# Altium PCB eps-test.PcbDoc (part 1 of 2)
Units mm, origin at the board's own origin, x right, y up, seen from the top; angles counter-clockwise.
Board outline 95.76 x 90.17 mm, 2 copper layers (Top Layer, Bottom Layer); 211 components, 182 nets, 892 pads, 2 vias.
Unrouted connection lines stored in the file: 525.
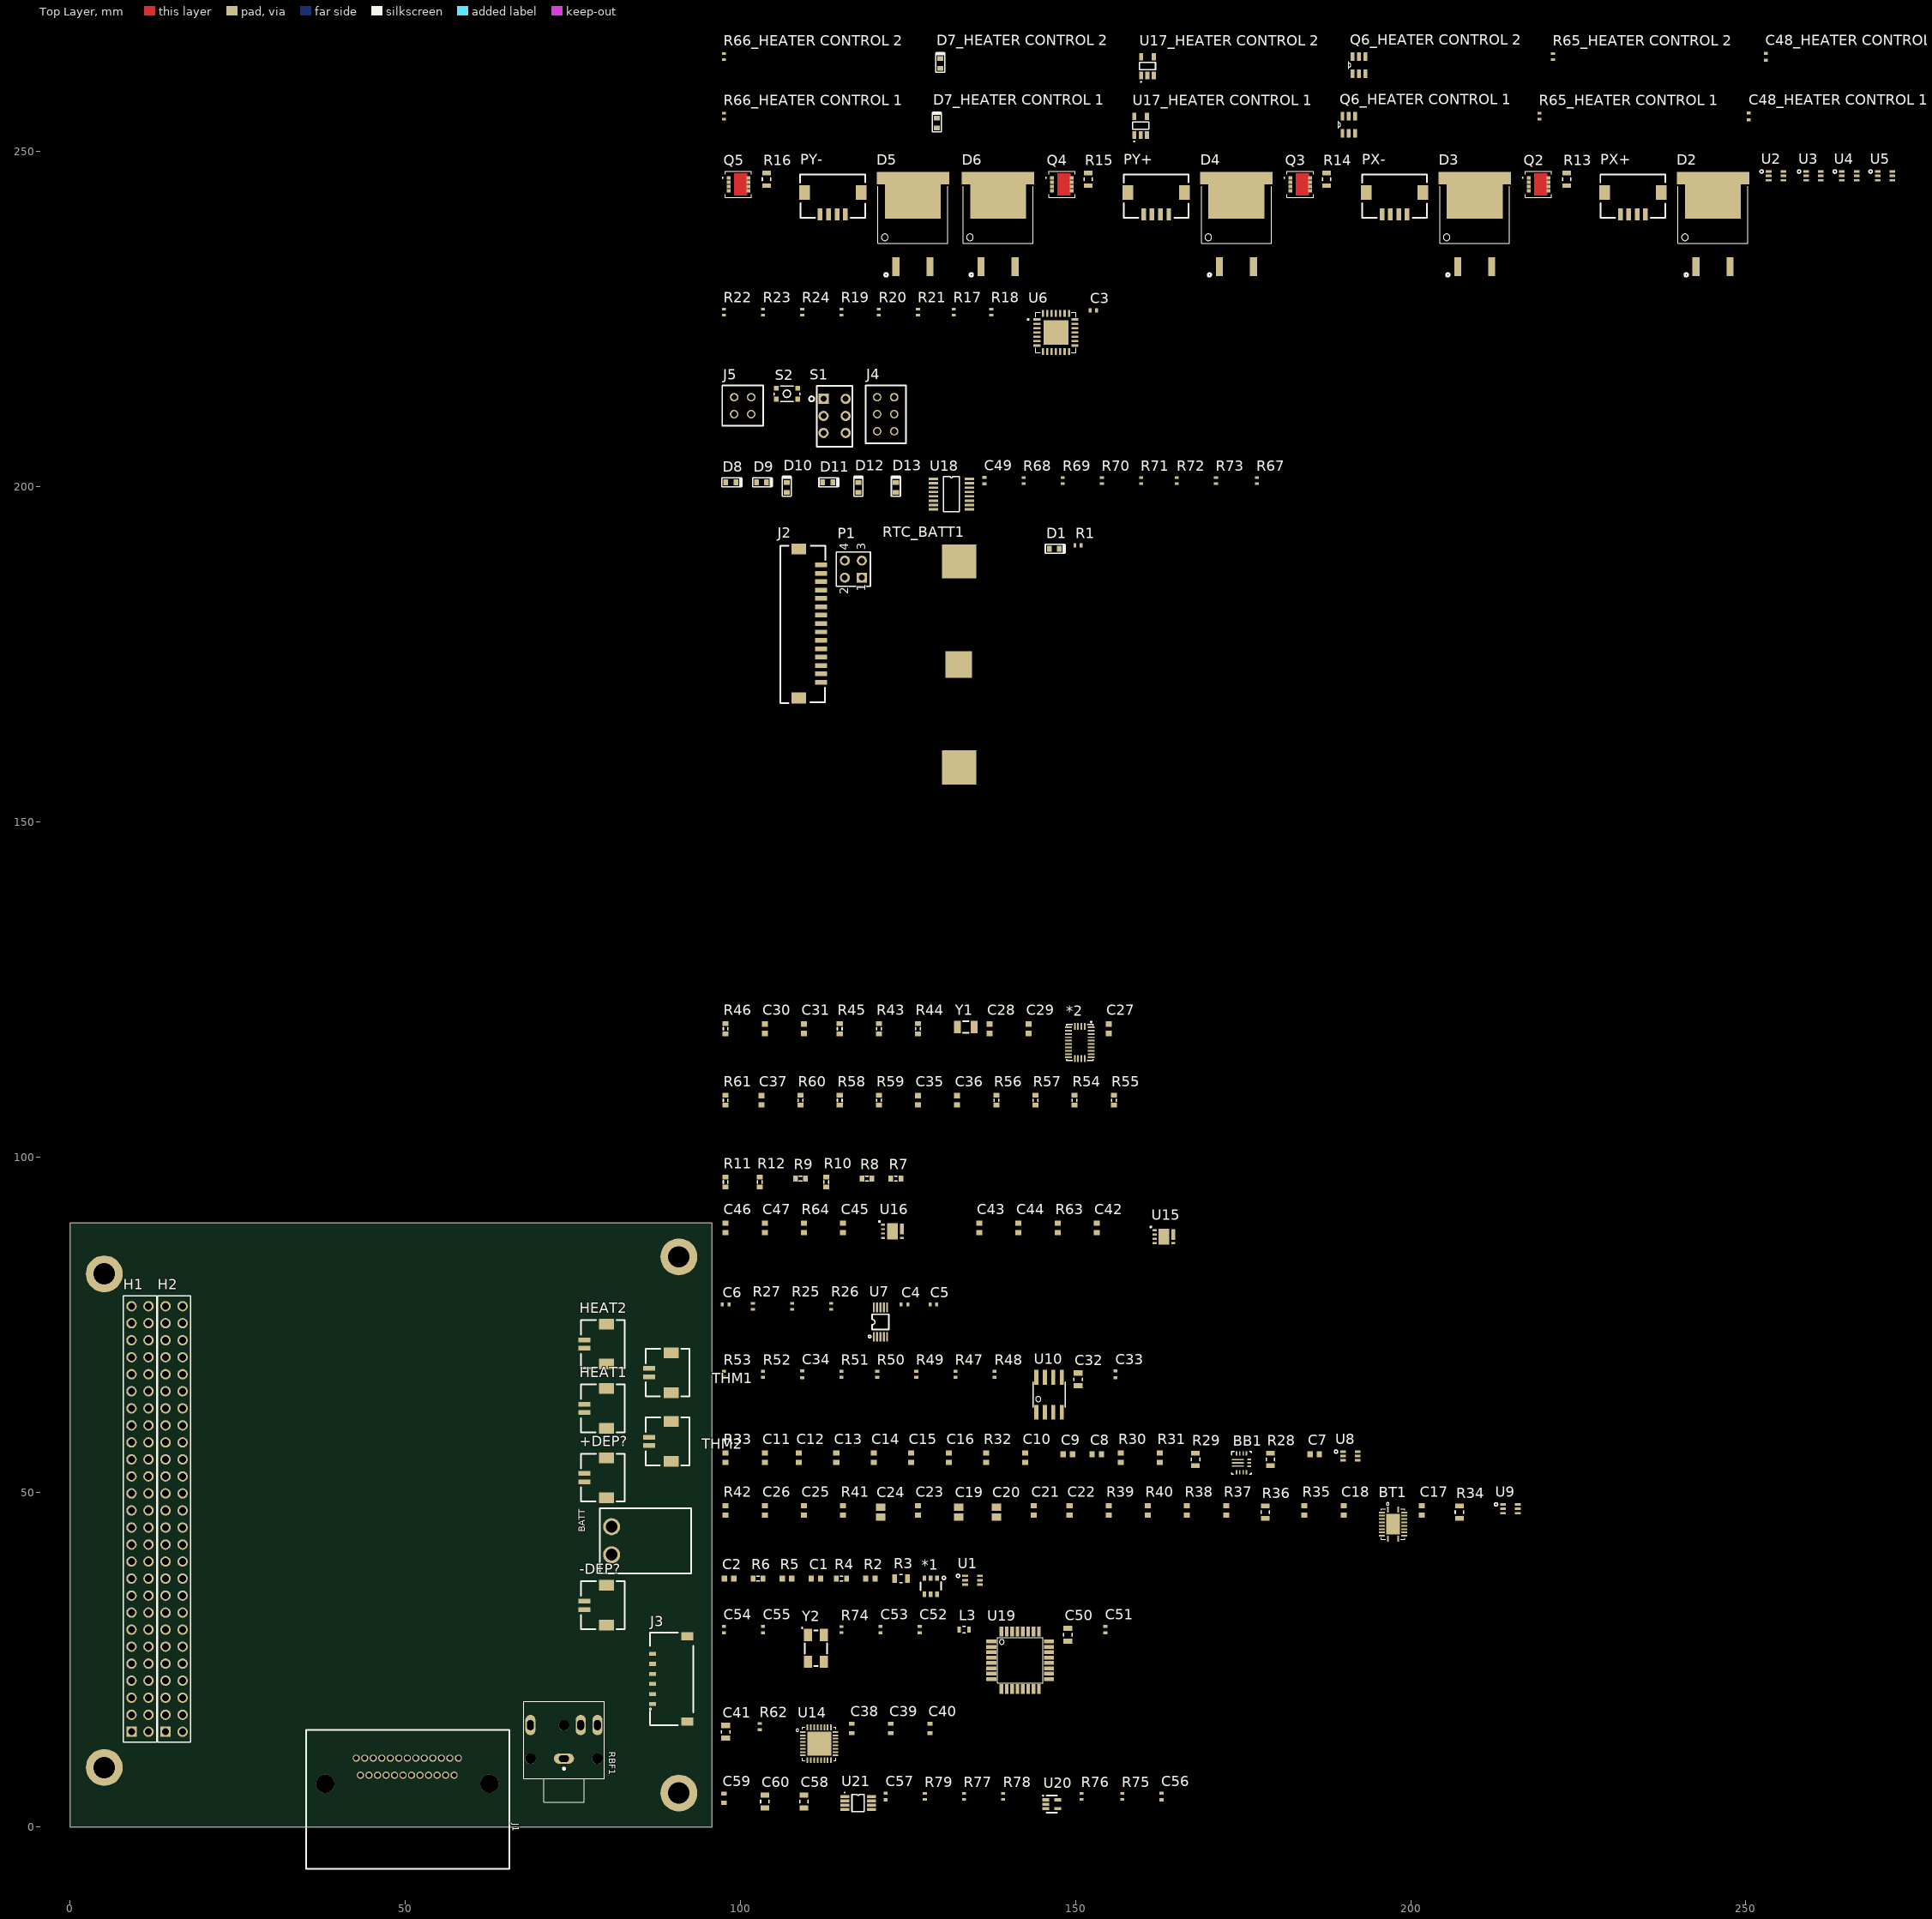
[diagram p0: Top Layer view]
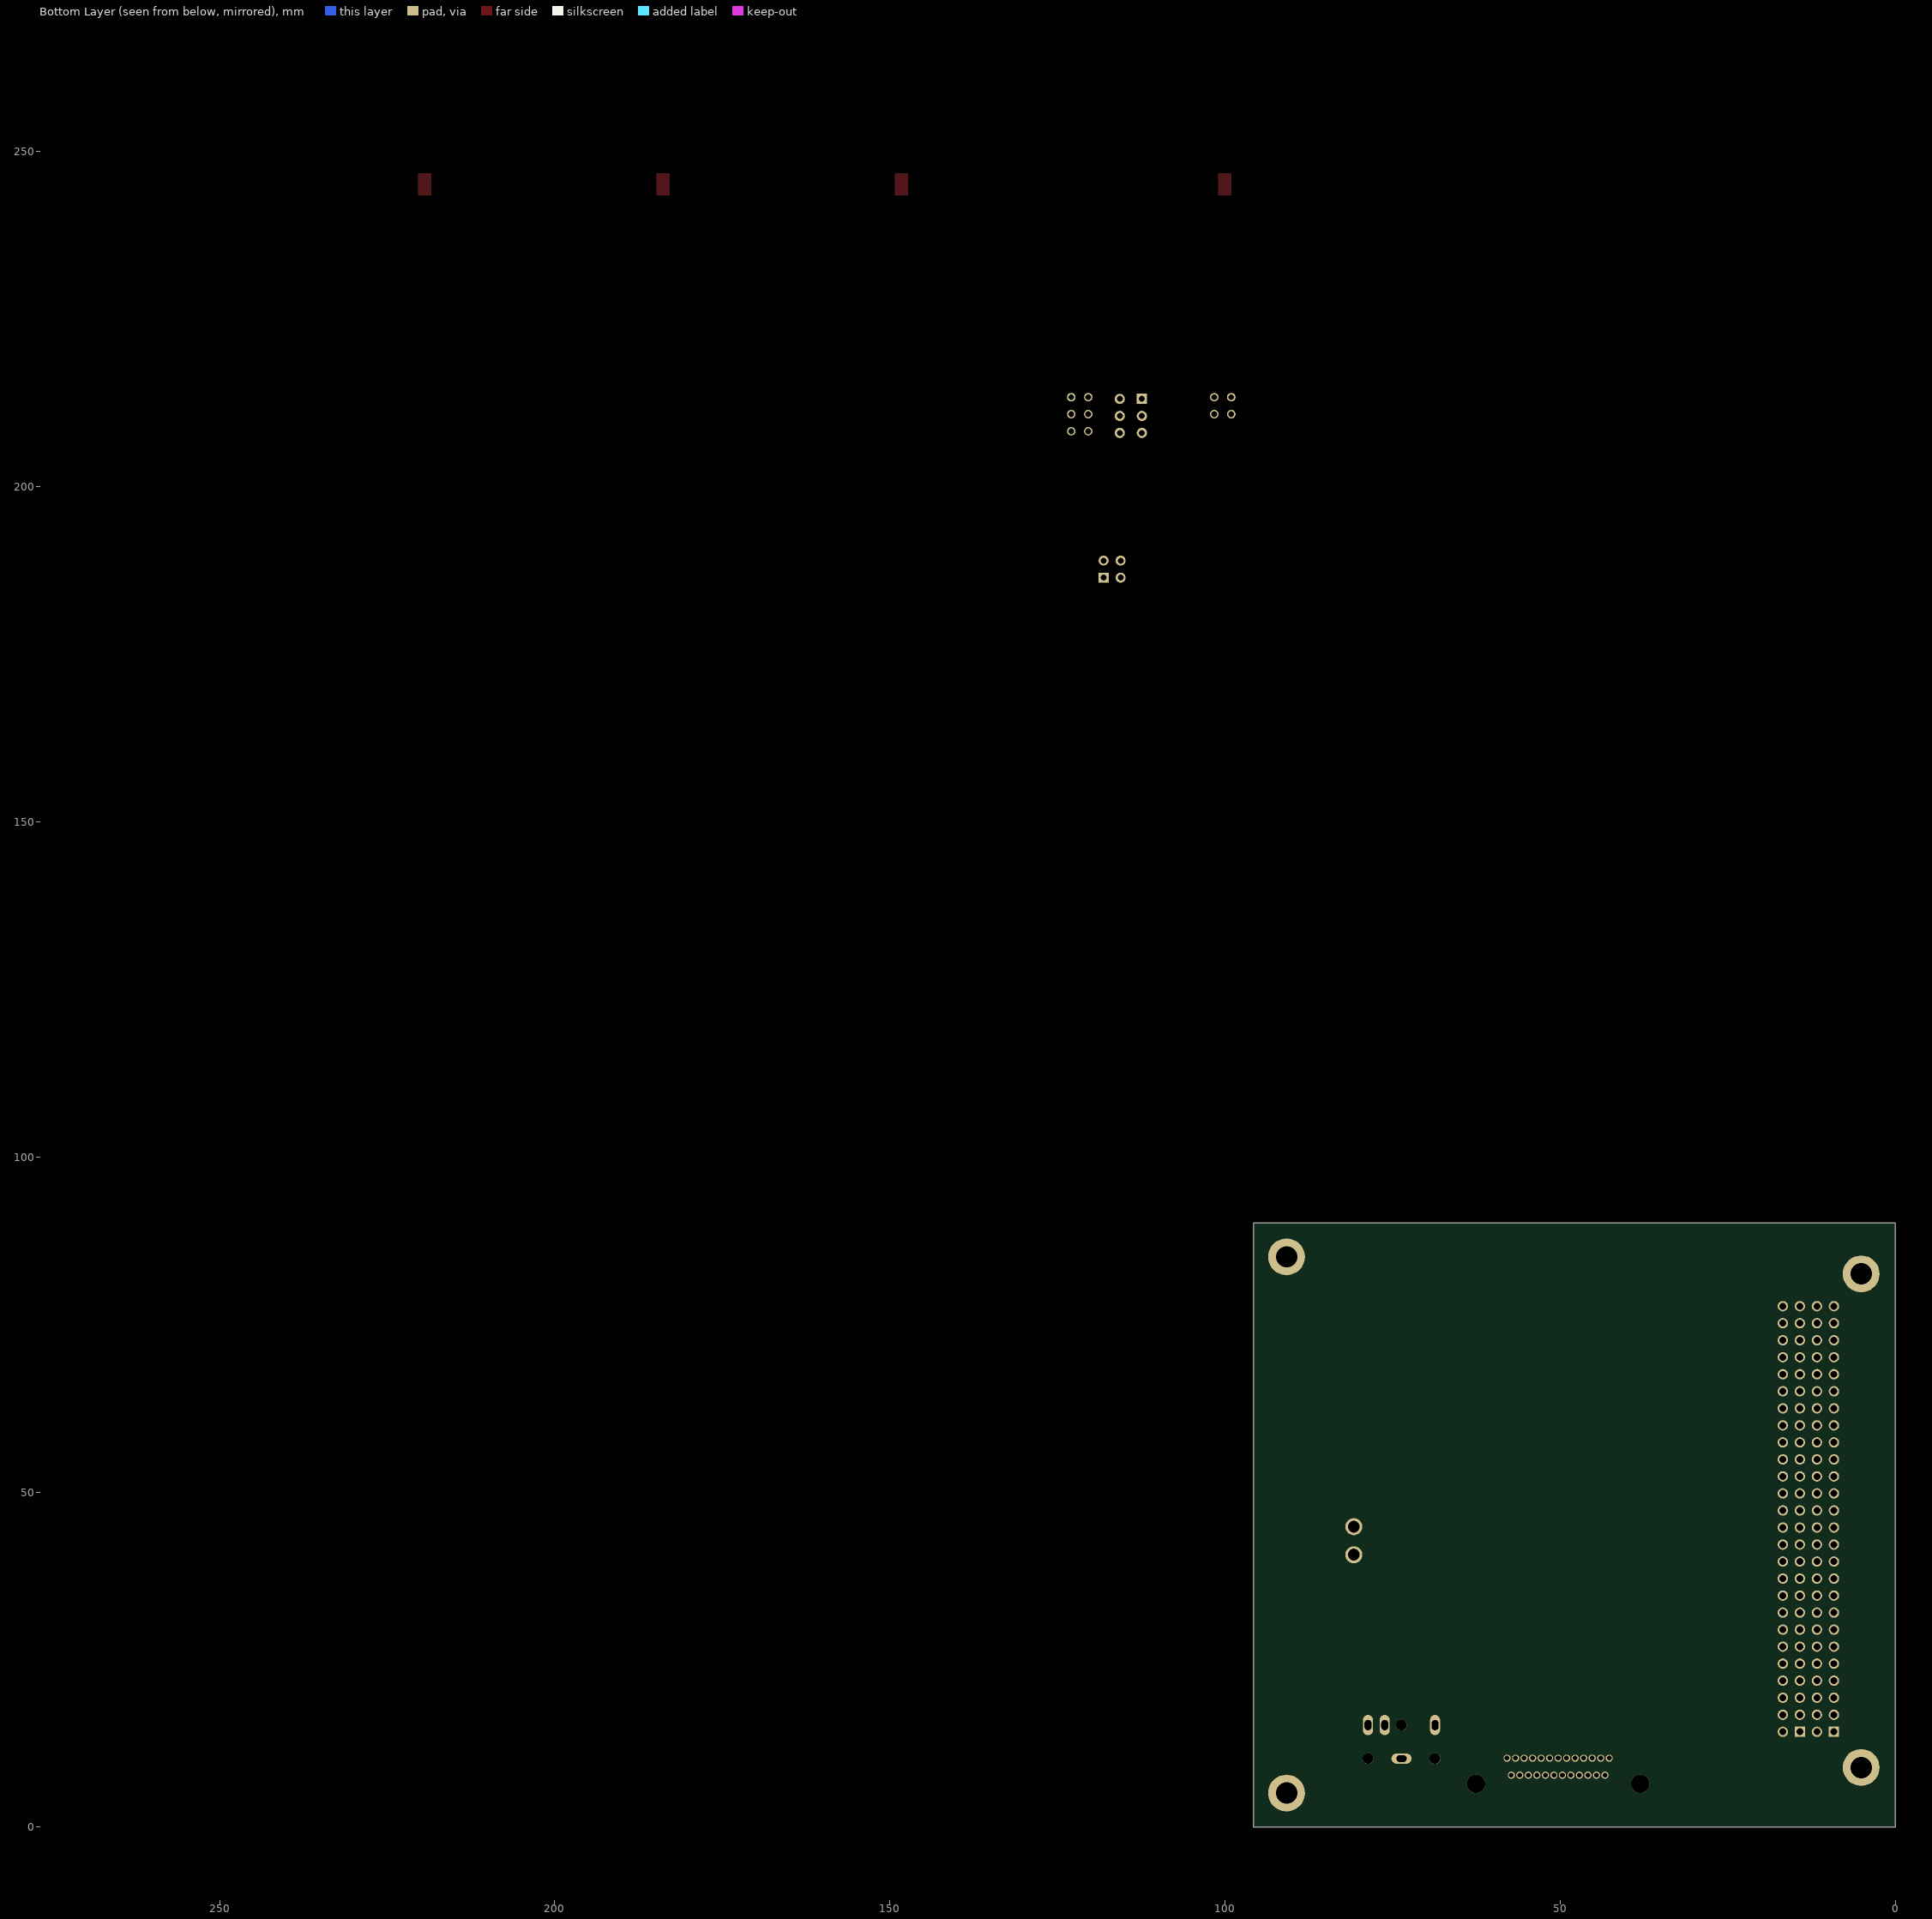
[diagram p1: Bottom Layer view, seen from below]

## Layer stack, top to bottom
Top Solder: solder mask 0.0102, Solder Resist, Dk 3.5
Top Layer: signal copper 0.0356
Dielectric 1: dielectric 0.32, FR-4, Dk 4.8
Bottom Layer: signal copper 0.0356
Bottom Solder: solder mask 0.0102, Solder Resist, Dk 3.5

## Board outline
0,0 95.758,0 95.758,90.17 0,90.17

## Design rules (kind name [scope] priority, off if disabled: settings)
Clearance [All] p1: gap=0.254 ignorepadtopadclearanceinfootprint=FALSE except(0: Arc-Hole Track-Hole SMDPad-Hole THPad-Hole Via-Hole Fill-Hole Poly-Hole Region-Hole Text-Hole)
PolygonConnect [All] p1: connectstyle=Relief reliefconductorwidth=0.254 reliefentries=4 polygonreliefangle="90 Angle" airgapwidth=0.254
RoomDefinition "SOLAR PANELS" [InComponentClass('SOLAR PANELS')] p1: confinementstyle=ConfineIn formatcopy=TRUE lockcomponents=FALSE outline 97.028,230.632 272.542,230.632 272.542,250.19 97.028,250.19
RoomDefinition PEX [InComponentClass('PEX')] p2: confinementstyle=ConfineIn formatcopy=TRUE lockcomponents=FALSE outline 97.028,219.202 155.194,219.202 155.194,229.616 97.028,229.616
RoomDefinition MICROCONTROLLER [InComponentClass('MICROCONTROLLER')] p3: confinementstyle=ConfineIn formatcopy=TRUE lockcomponents=FALSE outline 96.774,205.74 124.968,205.74 124.968,217.932 96.774,217.932
RoomDefinition micro-circuit- [InComponentClass('micro-circuit-')] p4: confinementstyle=ConfineIn formatcopy=TRUE lockcomponents=FALSE outline 96.774,195.834 181.61,195.834 181.61,204.47 96.774,204.47
RoomDefinition main [InComponentClass('main')] p5: confinementstyle=ConfineIn formatcopy=TRUE lockcomponents=FALSE outline 96.774,124.46 166.116,124.46 166.116,194.564 96.774,194.564
RoomDefinition IMU [InComponentClass('IMU')] p6: confinementstyle=ConfineIn formatcopy=TRUE lockcomponents=FALSE outline 97.028,113.792 159.258,113.792 159.258,123.19 97.028,123.19
RoomDefinition "HEATERS AND SENSORS" [InComponentClass('HEATERS AND SENSORS')] p7: confinementstyle=ConfineIn formatcopy=TRUE lockcomponents=FALSE outline 97.028,101.6 195.834,101.6 195.834,112.522 97.028,112.522
RoomDefinition "HEATER CONTROL 2" [InComponentClass('HEATER CONTROL 2')] p8: confinementstyle=ConfineIn formatcopy=TRUE lockcomponents=FALSE outline 97.028,260.096 283.464,260.096 283.464,267.97 97.028,267.97
RoomDefinition "HEATER CONTROL 1" [InComponentClass('HEATER CONTROL 1')] p9: confinementstyle=ConfineIn formatcopy=TRUE lockcomponents=FALSE outline 97.028,251.206 280.416,251.206 280.416,259.08 97.028,259.08
RoomDefinition DIGITAL [InComponentClass('DIGITAL')] p10: confinementstyle=ConfineIn formatcopy=TRUE lockcomponents=FALSE outline 97.028,94.742 125.222,94.742 125.222,100.33 97.028,100.33
RoomDefinition DEPLOYMENT [InComponentClass('DEPLOYMENT')] p11: confinementstyle=ConfineIn formatcopy=TRUE lockcomponents=FALSE outline 97.028,82.55 171.958,82.55 171.958,93.472 97.028,93.472
RoomDefinition DAC [InComponentClass('DAC')] p12: confinementstyle=ConfineIn formatcopy=TRUE lockcomponents=FALSE outline 96.774,72.136 131.318,72.136 131.318,81.28 96.774,81.28
RoomDefinition "CAN TRANSCEIVER" [InComponentClass('CAN TRANSCEIVER')] p13: confinementstyle=ConfineIn formatcopy=TRUE lockcomponents=FALSE outline 97.028,60.452 160.528,60.452 160.528,71.12 97.028,71.12
RoomDefinition BUCK-BOOST [InComponentClass('BUCK-BOOST')] p14: confinementstyle=ConfineIn formatcopy=TRUE lockcomponents=FALSE outline 97.028,52.324 192.786,52.324 192.786,59.182 97.028,59.182
RoomDefinition BOOST [InComponentClass('BOOST')] p15: confinementstyle=ConfineIn formatcopy=TRUE lockcomponents=FALSE outline 97.028,42.164 216.662,42.164 216.662,51.308 97.028,51.308
RoomDefinition BATTERY [InComponentClass('BATTERY')] p16: confinementstyle=ConfineIn formatcopy=TRUE lockcomponents=FALSE outline 96.774,34.036 136.398,34.036 136.398,40.64 96.774,40.64
RoomDefinition ATMEGA64M1 [InComponentClass('ATMEGA64M1')] p17: confinementstyle=ConfineIn formatcopy=TRUE lockcomponents=FALSE outline 97.028,19.558 158.496,19.558 158.496,33.02 97.028,33.02
RoomDefinition ADS7953 [InComponentClass('ADS7953')] p18: confinementstyle=ConfineIn formatcopy=TRUE lockcomponents=FALSE outline 96.774,9.144 132.588,9.144 132.588,18.542 96.774,18.542
RoomDefinition ADC [InComponentClass('ADC')] p19: confinementstyle=ConfineIn formatcopy=TRUE lockcomponents=FALSE outline 96.774,1.778 167.386,1.778 167.386,8.128 96.774,8.128
RoutingVias [All] p1: holewidth=0.711 width=1.27 viastyle="Through Hole" minholewidth=0.711 minwidth=1.27 maxholewidth=0.711 maxwidth=1.27
SolderMaskExpansion [All] p1: expansion=0.102
Width [All] p1: maxlimit=0.254 minlimit=0.254 preferedwidth=0.254
30 further rules are at their usual default settings.

## Classes and differential pairs
channel class heater-control-comparator: "HEATER CONTROL 1" "HEATER CONTROL 2"
component class "SOLAR PANELS": D2 D3 D4 D5 D6 GDB1 GDB2 PX+ PX- PY+ PY- Q2 Q3 Q4 Q5 R13 R14 R15 R16 U2 U3 U4 U5
component class PEX: C3 R17 R18 R19 R20 R21 R22 R23 R24 U6
component class MICROCONTROLLER: J4 J5 S1 S2
component class main: 3V3_IN 5V_IN B1 B2 B3 B4 D1 H1 H2 J2 J3 P1 R1 RTC_BATT1
component class IMU: *2 C27 C28 C29 C30 C31 R43 R44 R45 R46 Y1
component class "HEATERS AND SENSORS": C35 C36 C37 HEAT1 HEAT2 R54 R55 R56 R57 R58 R59 R60 R61 THM1 THM2 U11 U12 U13
component class "HEATER CONTROL 2": "C48_HEATER CONTROL 2" "D7_HEATER CONTROL 2" "Q6_HEATER CONTROL 2" "R65_HEATER CONTROL 2" "R66_HEATER CONTROL 2" "U17_HEATER CONTROL 2"
component class "HEATER CONTROL 1": "C48_HEATER CONTROL 1" "D7_HEATER CONTROL 1" "Q6_HEATER CONTROL 1" "R65_HEATER CONTROL 1" "R66_HEATER CONTROL 1" "U17_HEATER CONTROL 1"
component class DIGITAL: R7 R8 R9 R10 R11 R12
component class DEPLOYMENT: +DEP? -DEP? C42 C43 C44 C45 C46 C47 R63 R64 U15 U16
component class DAC: C4 C5 C6 R25 R26 R27 U7
component class "CAN TRANSCEIVER": C32 C33 C34 R47 R48 R49 R50 R51 R52 R53 U10
component class BUCK-BOOST: BB1 C7 C8 C9 C10 C11 C12 C13 C14 C15 C16 L1 R28 R29 R30 R31 R32 R33 U8
component class BOOST: BT1 C17 C18 C19 C20 C21 C22 C23 C24 C25 C26 L2 R34 R35 R36 R37 R38 R39 R40 R41 R42 U9
component class BATTERY: *1 BATT1 C1 C2 Q1 R2 R3 R4 R5 R6 U1
component class ATMEGA64M1: C50 C51 C52 C53 C54 C55 L3 R74 U19 Y2
component class ADS7953: C38 C39 C40 C41 R62 U14
component class ADC: C56 C57 C58 C59 C60 R75 R76 R77 R78 R79 U20 U21
component class micro-circuit-: C49 D8 D9 D10 D11 D12 D13 R67 R68 R69 R70 R71 R72 R73 U18

## Components (designator, comment, footprint, x,y, rotation, side; value= is the part's Value field where it differs from the comment)
*1 "AP9101C-COTRG" SOT-26 128.524,36.068 r0 top
*2 "IMU BNO080" 1888-1000-1-ND 150.622,117.094 r0 top
+DEP? "Switch 1" DF13A-2P-1.25H(21) 76.708,52.143 r270 top
-DEP? "Switch 2" DF13A-2P-1.25H(21) 76.708,33.093 r270 top
BATT "Header 2" SAM9552-ND 80.772,42.672 r270 top
BB1 "TPS630250" RNC0014A 174.752,54.356 r0 top
BT1 "TPS61088" QFN50P450X350X100-21N 197.358,45.212 r0 top
C1 "100nF" 1608[0603] 111.252,37.084 r0 top value=0.1uF
C2 "0.1µF" 1608[0603] 98.298,37.084 r0 top
C3 "0402" CAP0402R 152.654,226.314 r0 top value=0.1uF
C4 "0402" CAP0402R 124.46,77.978 r0 top value=0.1uF
C5 "0402" CAP0402R 128.778,77.978 r0 top value=100pF
C6 "0402" CAP0402R 97.79,77.978 r0 top value=150nF
C7 "0.1µF" 1608[0603] 185.674,55.626 r0 top
C8 "10.0µF" 1608[0603] 153.162,55.626 r0 top
C9 "10.0µF" 1608[0603] 148.844,55.626 r0 top
C10 "47.0µF" 1608[0603] 142.494,55.118 r90 top
C11 "0.1µF" 1608[0603] 103.632,55.118 r90 top
C12 "50µF" 1608[0603] 108.712,55.118 r90 top
C13 "50µF" 1608[0603] 114.3,55.118 r90 top
C14 "50µF" 1608[0603] 119.888,55.118 r90 top
C15 "50µF" 1608[0603] 125.476,55.118 r90 top
C16 "50µF" 1608[0603] 131.064,55.118 r90 top
C17 "0.1µF" 1608[0603] 201.676,47.244 r90 top
C18 "100nF" 1608[0603] 189.992,47.244 r90 top
C19 "47µF" C0805 132.588,46.99 r90 top
C20 "100nF" C0805 138.176,46.99 r90 top
C21 "2.2µF" 1608[0603] 143.764,47.244 r90 top
C22 "82pF" 1608[0603] 149.098,47.244 r90 top
C23 "8.2nF" 1608[0603] 126.492,47.244 r90 top
C24 "47µF" C0805 120.904,46.99 r90 top
C25 "1.8nF" 1608[0603] 109.474,47.244 r90 top
C26 "0.1µF" 1608[0603] 103.632,47.244 r90 top
C27 "0.1pF" 1608[0603] 154.94,119.126 r90 top
C28 "0.1pF" 1608[0603] 137.16,119.126 r90 top
C29 "0.1pF" 1608[0603] 143.002,119.126 r90 top
C30 "22pF" 1608[0603] 103.632,119.126 r90 top
C31 "22pF" 1608[0603] 109.474,119.126 r90 top
C32 "0805" CAP0805R 150.368,66.802 r90 top value=10uF
C33 "0402" CAP0402R 155.956,67.564 r90 top value=0.1uF
C34 "0402" CAP0402R 109.22,67.564 r90 top value=47pF
C35 "0.1uF" 1608[0603] 126.492,108.458 r90 top
C36 "0.1uF" 1608[0603] 132.334,108.458 r90 top
C37 "0.1uF" 1608[0603] 103.124,108.458 r90 top
C38 "0603" CAP0603R 116.586,14.732 r90 top value=1uF
C39 "0603" CAP0603R 122.428,14.732 r90 top value=1uF
C40 "0603" CAP0603R 128.27,14.732 r90 top value=1uF
C41 "0805" CAP0805R 97.79,14.224 r90 top value=10uF
C42 "1uF" 1608[0603] 153.162,89.408 r90 top
C43 "10uF" 1608[0603] 135.636,89.408 r90 top
C44 "1uF" 1608[0603] 141.478,89.408 r90 top
C45 "1uF" 1608[0603] 115.316,89.408 r90 top
C46 "10uF" 1608[0603] 97.79,89.408 r90 top
C47 "1uF" 1608[0603] 103.632,89.408 r90 top
"C48_HEATER CONTROL 1" "0402" CAP0402R 250.444,255.27 r90 top value=0.1uF (schematic designator C48)
"C48_HEATER CONTROL 2" "0402" CAP0402R 252.984,264.16 r90 top value=0.1uF (schematic designator C48)
C49 "0402" CAP0402R 136.398,200.914 r90 top value=0.1uF
C50 "0805" CAP0805R 148.844,28.702 r90 top value=10uF
C51 "0402" CAP0402R 154.432,29.464 r90 top value=0.1uF
C52 "0402" CAP0402R 126.746,29.464 r90 top value=0.1uF
C53 "0402" CAP0402R 120.904,29.464 r90 top value=0.1uF
C54 "0402" CAP0402R 97.536,29.464 r90 top value=22pF
C55 "0402" CAP0402R 103.378,29.464 r90 top value=22pF
C56 "0402" CAP0402R 162.814,4.572 r90 top value=0.1uF
C57 "0402" CAP0402R 121.666,4.572 r90 top value=220pF
C58 "0805" CAP0805R 109.474,3.81 r90 top value=10uF
C59 "0603" CAP0603R 97.536,4.318 r90 top value=1uF
C60 "0805" CAP0805R 103.632,3.81 r90 top value="10uF 1-1.5 ESR"
D1 "" LED0603 146.812,190.754 r0 top
D2 "SM74611" TO254P1435X464-3N 245.11,239.014 r90 top
D3 "SM74611" TO254P1435X464-3N 209.55,239.014 r90 top
D4 "SM74611" TO254P1435X464-3N 173.99,239.014 r90 top
D5 "SM74611" TO254P1435X464-3N 125.73,239.014 r90 top
D6 "SM74611" TO254P1435X464-3N 138.43,239.014 r90 top
"D7_HEATER CONTROL 1" "LED0603" LED0603 129.286,254.254 r90 top (schematic designator D7)
"D7_HEATER CONTROL 2" "LED0603" LED0603 129.794,263.144 r90 top (schematic designator D7)
D8 "LED0603" LED0603 98.552,200.66 r0 top
D9 "LED0603" LED0603 103.124,200.66 r0 top
D10 "LED0603" LED0603 106.934,199.898 r90 top
D11 "LED0603" LED0603 113.03,200.66 r0 top
D12 "LED0603" LED0603 117.602,199.898 r90 top
D13 "LED0603" LED0603 123.19,199.898 r90 top
H1 "ESQ-126-23-G-D" SSW-126-01-G-D 9.144,14.224 r90 top
H2 "ESQ-126-23-G-D" SSW-126-01-G-D 14.224,14.224 r90 top
HEAT1 "DF13A-2P-1.25H(21)" DF13A-2P-1.25H(21) 76.708,62.484 r270 top
HEAT2 "DF13A-2P-1.25H(21)" DF13A-2P-1.25H(21) 76.708,72.063 r270 top
J1 "D Connector 25" "MINI DSUB CONNECTOR" 50.292,10.287 r180 top locked
J2 "DF13A-15P-1.25H(21)" DF13A-15P-1.25H(21) 112.014,179.578 r90 top
J3 "504050-0691" MOLEX_504050-0691 86.868,22.122 r270 top
J4 "SLW-103-01-G-D" SLW-103-01-X-D 121.666,210.82 r90 top
J5 "SLW-102-01-G-D" SLW-102-01-X-D 100.33,212.09 r0 top
L3 "0603" RES0603R 133.35,29.464 r0 top value=10uH
P1 "TRANS PROG" HDR2X2 118.11,186.436 r90 top
PX+ "X+ Face" DF13A-4P-1.25H(51) 231.902,242.57 r0 top
PX- "X- Face" DF13A-4P-1.25H(51) 196.342,242.57 r0 top
PY+ "Y+ Face" DF13A-4P-1.25H(51) 160.782,242.57 r0 top
PY- "Y- Face" DF13A-4P-1.25H(51) 112.522,242.57 r0 top
Q2 "CSD16406Q3" CSD16406Q3 219.202,245.11 r0 top
Q3 "CSD16406Q3" CSD16406Q3 183.642,245.11 r0 top
Q4 "CSD16406Q3" CSD16406Q3 148.082,245.11 r0 top
Q5 "CSD16406Q3" CSD16406Q3 99.822,245.11 r0 top
"Q6_HEATER CONTROL 1" "N-MOS" SOT95P280X145-6N 190.754,254 r90 top (schematic designator Q6)
"Q6_HEATER CONTROL 2" "N-MOS" SOT95P280X145-6N 192.278,262.89 r90 top (schematic designator Q6)
R1 "330" RES0402R 150.368,191.262 r0 top
R2 "330Ohms" 1608[0603] 119.38,37.084 r0 top value=1K
R3 "2mΩ" RES0805R 123.952,37.084 r0 top value=2mO
R4 "100kΩ" J1-0603 115.062,37.084 r0 top value=100kO
R5 "2.7K" 1608[0603] 106.934,37.084 r0 top value=1K
R6 "100kΩ" J1-0603 102.616,37.084 r0 top value=100kO
R7 "0" J1-0603 123.19,96.774 r0 top
R8 "0" J1-0603 118.872,96.774 r0 top
R9 "10K" J1-0603 108.966,96.774 r0 top
R10 "10K" J1-0603 112.776,96.266 r90 top
R11 "10K" J1-0603 97.79,96.266 r90 top
R12 "10K" J1-0603 102.87,96.266 r90 top
R13 "2mΩ" RES0805R 223.266,245.872 r90 top value=2mO
R14 "2mΩ" RES0805R 187.452,245.872 r90 top value=2mO
R15 "2mΩ" RES0805R 151.892,245.872 r90 top value=2mO
R16 "2mΩ" RES0805R 103.886,245.872 r90 top value=2mO
R17 "0402" RES0402R 131.826,226.06 r90 top value=10K
R18 "0402" RES0402R 137.414,226.06 r90 top value=10K
R19 "0402" RES0402R 115.062,226.06 r90 top value=0
R20 "0402" RES0402R 120.65,226.06 r90 top value=0
R21 "0402" RES0402R 126.492,226.06 r90 top value=0
R22 "0402" RES0402R 97.536,226.06 r90 top value=0
R23 "0402" RES0402R 103.378,226.06 r90 top value=0
R24 "0402" RES0402R 109.22,226.06 r90 top value=0
R25 "0402" RES0402R 107.696,77.724 r90 top value=10K
R26 "0402" RES0402R 113.538,77.724 r90 top value=10K
R27 "0402" RES0402R 101.854,77.724 r90 top value=1K
R28 "2mΩ" RES0805R 179.07,54.864 r90 top value=2mO
R29 "Res1" RES0805R 167.894,54.864 r90 top value=2mO
R30 "562kΩ" 1608[0603] 156.718,55.118 r90 top value=562kO
R31 "100kΩ" 1608[0603] 162.56,55.118 r90 top value=100kO
R32 "180kΩ" 1608[0603] 136.652,55.118 r90 top value=180kO
R33 "100kΩ" 1608[0603] 97.79,55.118 r90 top value=100kO
R34 "2mΩ" RES0805R 207.264,46.99 r90 top value=2mO
R35 "412kΩ" 1608[0603] 184.15,47.244 r90 top value=412kO
R36 "2mΩ" RES0805R 178.308,46.99 r90 top value=2mO
R37 "220kΩ" 1608[0603] 172.466,47.244 r90 top value=220kO
R38 "100kΩ" 1608[0603] 166.624,47.244 r90 top value=100kO
R39 "15.8kΩ" 1608[0603] 154.94,47.244 r90 top value=15.8kO
R40 "162kΩ" 1608[0603] 160.782,47.244 r90 top value=162kO
R41 "69.8kΩ" 1608[0603] 115.316,47.244 r90 top value=69.8kO
R42 "100kΩ" 1608[0603] 97.79,47.244 r90 top value=100kO
R43 "10K" J1-0603 120.65,119.126 r90 top
R44 "10K" J1-0603 126.492,119.126 r90 top
R45 "10K" J1-0603 114.808,119.126 r90 top
R46 "10K" J1-0603 97.79,119.126 r90 top
R47 "0402" RES0402R 132.08,67.564 r90 top value=60.4
R48 "0402" RES0402R 137.922,67.564 r90 top value=100
R49 "0402" RES0402R 126.238,67.564 r90 top value=100
R50 "0402" RES0402R 120.396,67.564 r90 top value=100
R51 "0402" RES0402R 115.062,67.564 r90 top value=60.4
R52 "0402" RES0402R 103.378,67.564 r90 top value=0
R53 "0402" RES0402R 97.536,67.564 r90 top value=0
R54 "10K 0.1%" J1-0603 149.86,108.458 r90 top
R55 "10K 0.1%" J1-0603 155.702,108.458 r90 top
R56 "10K" J1-0603 138.176,108.458 r90 top
R57 "10K" J1-0603 144.018,108.458 r90 top
R58 "10K" J1-0603 114.808,108.458 r90 top
R59 "10K" J1-0603 120.65,108.458 r90 top
R60 "10K" J1-0603 108.966,108.458 r90 top
R61 "10K" J1-0603 97.79,108.458 r90 top
R62 "0402" RES0402R 102.87,14.986 r90 top value=10K
R63 "50K" 1608[0603] 147.32,89.408 r90 top
R64 "50K" 1608[0603] 109.474,89.408 r90 top
"R65_HEATER CONTROL 1" "0402" RES0402R 219.202,255.27 r90 top value=1K (schematic designator R65)
"R65_HEATER CONTROL 2" "0402" RES0402R 221.234,264.16 r90 top value=1K (schematic designator R65)
"R66_HEATER CONTROL 1" "0402" RES0402R 97.536,255.27 r90 top value=1K (schematic designator R66)
"R66_HEATER CONTROL 2" "0402" RES0402R 97.536,264.16 r90 top value=1K (schematic designator R66)
R67 "0402" RES0402R 177.038,200.914 r90 top value=10K
R68 "0402" RES0402R 142.24,200.914 r90 top value=330
R69 "0402" RES0402R 148.082,200.914 r90 top value=330
R70 "0402" RES0402R 153.924,200.914 r90 top value=330
R71 "0402" RES0402R 159.766,200.914 r90 top value=330
R72 "0402" RES0402R 165.1,200.914 r90 top value=330
R73 "0402" RES0402R 170.942,200.914 r90 top value=330
R74 "0402" RES0402R 115.062,29.464 r90 top value=30K
R75 "0402" RES0402R 156.972,4.572 r90 top value=100
R76 "0402" RES0402R 150.876,4.572 r90 top value=100
R77 "0402" RES0402R 133.35,4.572 r90 top value=100
R78 "0402" RES0402R 139.192,4.572 r90 top value=100
R79 "0402" RES0402R 127.508,4.572 r90 top value=100
RBF1 "SJ1-3544" SJ1-3544 73.66,10.223 r90 top
RTC_BATT1 "3084" 3084 132.588,173.482 r90 top
S1 "DPDT" "JS202011AQN - Slide Switch" 114.046,210.566 r0 top
S2 "SW-PB" "PTS830GM140 SMTR LFS - Pushbutton" 106.934,213.868 r0 top
THM1 "DF13A-2P-1.25H(21)" DF13A-2P-1.25H(21) 86.36,67.818 r270 top
THM2 "DF13A-2P-1.25H(21)" DF13A-2P-1.25H(21) 86.36,57.541 r270 top
U1 "INA214CQDCKRQ1" "TI-SOT-SC70 (DCK)" 134.62,36.83 r0 top
U2 "INA214CQDCKRQ1" "TI-SOT-SC70 (DCK)" 254.508,246.38 r0 top
U3 "INA214CQDCKRQ1" "TI-SOT-SC70 (DCK)" 260.096,246.38 r0 top
U4 "INA214CQDCKRQ1" "TI-SOT-SC70 (DCK)" 265.43,246.38 r0 top
U5 "INA214CQDCKRQ1" "TI-SOT-SC70 (DCK)" 270.764,246.38 r0 top
U6 "MCP23S17-QFN" QFN65P600X600X100-29 147.066,223.012 r0 top
U7 "DAC7562" SSOP50P300X300-10N 119.888,73.152 r90 top
U8 "INA214CQDCKRQ1" "TI-SOT-SC70 (DCK)" 191.008,55.372 r0 top
U9 "INA214CQDCKRQ1" "TI-SOT-SC70 (DCK)" 214.884,47.498 r0 top
U10 "SN65HVD233D" SOIC127P500X600-8N 146.05,64.516 r0 top
U14 "ADS7953" QFN50P500X500X100-33 111.76,12.446 r0 top
U15 "TPS22959DNYT" TPS22959DNYT 163.192,88.097 r0 top
U16 "TPS22959DNYT" TPS22959DNYT 122.682,88.9 r0 top
"U17_HEATER CONTROL 1" "MCP6546" SOT95P290X160-5N 158.75,252.476 r90 top (schematic designator U17)
"U17_HEATER CONTROL 2" "MCP6546" SOT95P290X160-5N 159.766,261.366 r90 top (schematic designator U17)
U18 "SN74HC365PW" SOP65P640X120-16N 128.778,201.168 r0 top
U19 "ATMEGA64M1" QFP80P900X900X120-32 141.732,24.892 r0 top
U20 "AD8613" SOP65P200X125-5N 145.542,4.064 r0 top
U21 "REF5025" SOP65P300X125-8N 115.57,4.572 r0 top
Y1 "ABS07-120-32.768KHZ-T" ABS07-120-32.768 133.604,119.38 r0 top
Y2 "8MHz Crystal" OSCSC500X320X110-4N 111.252,26.67 r0 top

## Footprints (in the part's own frame and the unit in brackets; to place one, negate y for a bottom-side part, rotate by r counter-clockwise, add the part's x,y. Pads: shape width x height; smd on the part's side, far side on the other; paste and mask are expansions set on the pad)
1608[0603] [mm] "Chip Capacitor, Body 1.6x0.8mm, IPC High Density"
  rect 0.8x0.9 smd: 1(-0.7,0) 2(0.7,0)
  body extent -0.87,-0.48 0.87,0.48, height 1.3
1888-1000-1-ND [mm]
  rect 1x0.25 smd: 1(1.7,2.25) 6(-1.7,2.25) 7(-1.7,1.75) 8(-1.7,1.25) 9(-1.7,0.75) 10(-1.7,0.25) 11(-1.7,-0.25) 12(-1.7,-0.75) 13(-1.7,-1.25) 14(-1.7,-1.75) 15(-1.7,-2.25) 20(1.7,-2.25) 21(1.7,-1.75) 22(1.7,-1.25) 23(1.7,-0.75) 24(1.7,-0.25) 25(1.7,0.25) 26(1.7,0.75) 27(1.7,1.25) 28(1.7,1.75)
  rect 0.25x1 smd: 2(0.75,2.4) 3(0.25,2.4) 4(-0.25,2.4) 5(-0.75,2.4) 16(-0.75,-2.4) 17(-0.25,-2.4) 18(0.25,-2.4) 19(0.75,-2.4)
  silkscreen extent -2,-2.7 2,3.1
3084 [mm] "CR2330 Battery Holder"
  rect 5.08x5.08 smd: 1(-15.365,-0.051) 1(15.365,-0.051)
  rect 3.96x3.96 smd: 2(0,0)
ABS07-120-32.768 [mm] "32.768 kHz crystal"
  rect 1x1.8 smd: 1(-1.25,0) 2(1.25,0)
  silkscreen extent -0.43,-0.86 0.43,0.86, body extent -1.6,-0.75 1.6,0.75, height 0.89
C0805 [mm] "Chip Capacitor, Body 2.0x1.3mm, IPC High Density"
  rect 1.1x1.4 smd: 1(-0.75,0) 2(0.75,0)
  body extent -1.1,-0.72 1.1,0.72, height 1.4
CAP0402R [mm] "Capacitor 0402 reflow soldering"
  rect 0.45x0.6 smd mask+0: 1(-0.5,0) 2(0.5,0)
  body extent -0.5,-0.3 0.5,0.3, height 0.2
CAP0603R [mm] "capacitor 0603 reflow soldering"
  rect 0.6x0.8 smd mask+0: 1(-0.7,0) 2(0.7,0)
  body extent -0.8,-0.4 0.8,0.4, height 0.3
CAP0805R [mm] "capacitor 0805 reflow soldering"
  rect 0.8x1.3 smd mask+0: 1(-0.95,0) 2(0.95,0)
  silkscreen extent -0.2,-0.63 0.2,0.63, body extent -1,-0.62 1,0.63, height 0.78
CSD16406Q3 [mm] "Power MOSFET"
  rect 0.56x0.5 smd paste-0.25: 1(-1.597,-0.325) 1(-1.597,0.325) 1(-1.597,0.975) 4(-1.597,-0.975) 5(1.343,-0.975) 5(1.343,-0.325) 5(1.343,0.325) 5(1.343,0.975)
  Top Layer region: -0.762,1.651 1.143,1.651 1.143,-1.651 -0.762,-1.651 -0.762,1.27
  silkscreen extent -2.57,-1.96 1.83,1.96, body extent -1.78,-1.65 1.52,1.65, height 1.1
DF13A-2P-1.25H(21) [mm] "2 pos, 1.25mm pitch DF13 connector (H125743CT-ND)"
  rect 0.7x1.8 smd: 1(-0.625,0) 2(0.625,0)
  rect 1.6x2.2 smd: ""(-2.975,3.3) ""(2.975,3.3)
  silkscreen extent -3.58,-0.48 3.58,6.02, body extent -3.58,-0.48 3.58,6.79, height 3.58
DF13A-4P-1.25H(51) [mm] "4 pos, 1.25mm pitch DF13 connector (H125779CT-ND)"
  rect 0.7x1.8 smd: 1(-0.625,-1.956) 2(0.625,-1.956) 3(1.875,-1.956) 4(3.125,-1.956)
  rect 1.6x2.2 smd: ""(-2.975,1.344) ""(5.475,1.344)
  silkscreen extent -3.61,-2.46 6.06,4.04, body extent -3.61,-2.46 6.04,4.75, height 3.58
DF13A-15P-1.25H(21) [mm] "15 pos, 1.25mm pitch DF13 connector (H125988CT-ND)"
  rect 0.7x1.8 smd: 1(-8.75,0) 2(-7.5,0) 3(-6.25,0) 4(-5,0) 5(-3.75,0) 6(-2.5,0) 7(-1.25,0) 8(0,0) 9(1.25,0) 10(2.5,0) 11(3.75,0) 12(5,0) 13(6.25,0) 14(7.5,0) 15(8.75,0)
  rect 1.6x2.2 smd: ""(-11.1,3.3) ""(11.1,3.3)
  silkscreen extent -11.86,-0.63 11.63,6.04, body extent -11.7,-0.5 11.7,6.76, height 3.58
HDR2X2 [mm] "Connector; Header; 2x2 Position"
  rect 1.5x1.5 hole 0.9: 1(0,0)
  round 1.5 hole 0.9: 2(0,2.54) 3(2.54,0) 4(2.54,2.54)
  silkscreen extent -1.27,-1.27 3.81,3.81
J1-0603 [mm] "Chip Resistor, Body 1.6x0.8mm, IPC High Density"
  rect 0.7x0.9 smd: 1(-0.75,0) 2(0.75,0)
  silkscreen extent -0.2,-0.35 0.2,0.35, body extent -0.85,-0.48 0.85,0.48, height 0.9
"JS202011AQN - Slide Switch" [mil]
  rect 60x60 hole 35: 1(-65,100)
  round 60 hole 35: 2(-65,0) 3(-65,-100) 4(65,100) 5(65,0) 6(65,-100)
  silkscreen extent -150,-180 105,177, body extent -148,-178 128,176, height 139
LED0603 [mm] "0603 LED footprint, thick line on the cathode"
  rect 0.7x0.9 smd: 1(-0.75,0) 2(0.75,0)
  silkscreen extent -1.32,-0.67 1.52,0.67, body extent -0.8,-0.4 0.8,0.4, height 0.71
"MINI DSUB CONNECTOR" [mil]
  round 42 hole 28: 1(-300,0) 2(-250,0) 3(-200,0) 4(-150,0) 5(-100,0) 6(-50,0) 7(0,0) 8(50,0) 9(100,0) 10(150,0) 11(200,0) 12(250,0) 13(300,0) 14(-275,100) 15(-225,100) 16(-175,100) 17(-125,100) 18(-75,100) 19(-25,100) 20(25,100) 21(75,100) 22(125,100) 23(175,100) 24(225,100) 25(275,100)
  silkscreen extent -600,-165 595,650, body extent -594,-38 588,623, height 357
MOLEX_504050-0691 [mm] "Molex connector to antenna"
  rect 0.6x1 smd: 1(3.762,0) 2(2.262,0) 3(0.762,0) 4(-0.738,0) 5(-2.238,0) 6(-3.738,0)
  rect 1.25x1.8 smd: ""(-6.343,5.19) ""(6.367,5.19)
  silkscreen extent -6.92,-0.47 6.92,6.1
OSCSC500X320X110-4N [mm] "ABM3B-8.000MHZ-10-D-1-G-T Abracon 8MHz crystal"
  rect 1.2x1.8 smd: 1(-1.2,2) 2(-1.2,-2) 3(1.2,-2) 4(1.2,2)
  silkscreen extent -2.15,-2.67 1.65,3.15, body extent -1.6,-2.5 1.58,2.5, height 1.1
"PTS830GM140 SMTR LFS - Pushbutton" [mm] "Low profile pushbutton"
  rect 0.7x0.75 smd: 1(-1.6,0.825) 1(1.6,0.825) 2(-1.6,-0.825) 2(1.6,-0.825)
  silkscreen extent -1.92,-1.17 1.92,1.15, body extent -1.75,-1.3 1.75,1.3, height 1.4
QFN50P450X350X100-21N [mm]
  rect 0.26x0.9 smd: 1(-0.75,2.185) 10(-0.75,-2.185) 11(0.75,-2.185) 20(0.75,2.185)
  rect 0.9x0.26 smd: 2(-1.685,1.75) 3(-1.685,1.25) 4(-1.685,0.75) 5(-1.685,0.25) 6(-1.685,-0.25) 7(-1.685,-0.75) 8(-1.685,-1.25) 9(-1.685,-1.75) 12(1.685,-1.75) 13(1.685,-1.25) 14(1.685,-0.75) 15(1.685,-0.25) 16(1.685,0.25) 17(1.685,0.75) 18(1.685,1.25) 19(1.685,1.75)
  rect 2.07x3.07 smd: 21(0,0)
  silkscreen extent -1.75,-2.25 1.75,3.21
QFN50P500X500X100-33 [mm] "QFN + Pitch P + Body With X Body Length X Height - #Pins"
  rect 0.84x0.26 smd: 1(-2.435,1.75) 2(-2.435,1.25) 3(-2.435,0.75) 4(-2.435,0.25) 5(-2.435,-0.25) 6(-2.435,-0.75) 7(-2.435,-1.25) 8(-2.435,-1.75) 17(2.435,-1.75) 18(2.435,-1.25) 19(2.435,-0.75) 20(2.435,-0.25) 21(2.435,0.25) 22(2.435,0.75) 23(2.435,1.25) 24(2.435,1.75)
  rect 0.26x0.84 smd: 9(-1.75,-2.435) 10(-1.25,-2.435) 11(-0.75,-2.435) 12(-0.25,-2.435) 13(0.25,-2.435) 14(0.75,-2.435) 15(1.25,-2.435) 16(1.75,-2.435) 25(1.75,2.435) 26(1.25,2.435) 27(0.75,2.435) 28(0.25,2.435) 29(-0.25,2.435) 30(-0.75,2.435) 31(-1.25,2.435) 32(-1.75,2.435)
  rect 3.6x3.6 smd: 33(0,0)
  silkscreen extent -3.47,-2.5 2.5,2.5, body extent -2.55,-2.55 2.55,2.55, height 0.78
QFN65P600X600X100-29 [mm] "QFN + Pitch P + Body With X Body Length X Height - #Pins"
  rect 1.04x0.33 smd: 1(-2.835,1.95) 2(-2.835,1.3) 3(-2.835,0.65) 4(-2.835,0) 5(-2.835,-0.65) 6(-2.835,-1.3) 7(-2.835,-1.95) 15(2.835,-1.95) 16(2.835,-1.3) 17(2.835,-0.65) 18(2.835,0) 19(2.835,0.65) 20(2.835,1.3) 21(2.835,1.95)
  rect 0.33x1.04 smd: 8(-1.95,-2.835) 9(-1.3,-2.835) 10(-0.65,-2.835) 11(0,-2.835) 12(0.65,-2.835) 13(1.3,-2.835) 14(1.95,-2.835) 22(1.95,2.835) 23(1.3,2.835) 24(0.65,2.835) 25(0,2.835) 26(-0.65,2.835) 27(-1.3,2.835) 28(-1.95,2.835)
  rect 3.7x3.7 smd: 29(0,0)
  silkscreen extent -4.24,-3 3,3, body extent -3.05,-3.05 3.05,3.05, height 1
QFP80P900X900X120-32 [mm] "QFN + Pitch P + Body With X Body Length X Height - #Pins"
  rect 1.5x0.55 smd: 1(-4.3,2.8) 2(-4.3,2) 3(-4.3,1.2) 4(-4.3,0.4) 5(-4.3,-0.4) 6(-4.3,-1.2) 7(-4.3,-2) 8(-4.3,-2.8) 17(4.3,-2.8) 18(4.3,-2) 19(4.3,-1.2) 20(4.3,-0.4) 21(4.3,0.4) 22(4.3,1.2) 23(4.3,2) 24(4.3,2.8)
  rect 0.55x1.5 smd: 9(-2.8,-4.3) 10(-2,-4.3) 11(-1.2,-4.3) 12(-0.4,-4.3) 13(0.4,-4.3) 14(1.2,-4.3) 15(2,-4.3) 16(2.8,-4.3) 25(2.8,4.3) 26(2,4.3) 27(1.2,4.3) 28(0.4,4.3) 29(-0.4,4.3) 30(-1.2,4.3) 31(-2,4.3) 32(-2.8,4.3)
  silkscreen extent -3.4,-3.4 3.4,3.4, body extent -4.62,-4.62 4.63,4.63, height 1.2
RES0402R [mm] "resistor 0402 reflow soldering"
  rect 0.4x0.6 smd mask+0: 1(-0.45,0) 2(0.45,0)
  body extent -0.5,-0.25 0.5,0.25, height 0.3
RES0603R [mm] "resistor 0603 reflow soldering"
  rect 0.5x0.9 smd mask+0: 1(-0.75,0) 2(0.75,0)
  silkscreen extent -0.2,-0.5 0.2,0.5, body extent -0.8,-0.4 0.8,0.4, height 0.45
RES0805R [mm] "resistor 0805 reflow soldering"
  rect 0.7x1.3 smd mask+0: 1(-0.95,0) 2(0.95,0)
  silkscreen extent -0.2,-0.63 0.2,0.63, body extent -1,-0.63 1,0.62, height 0.5
RNC0014A [mm]
  rect 1.79x0.22 smd paste-0.882 mask+0.051: 1(-0.555,0.49) 2(-0.555,0) 3(-0.555,-0.49)
  rect 0.24x0.6 smd paste+0 mask+0.051: 4(-0.75,-1.4) 5(-0.25,-1.4) 6(0.25,-1.4) 7(0.75,-1.4) 11(0.75,1.4) 12(0.25,1.4) 13(-0.25,1.4) 14(-0.75,1.4)
  rect 0.6x0.24 smd paste+0 mask+0.051: 8(1.15,-0.5) 9(1.15,0) 10(1.15,0.5)
  silkscreen extent -1.45,-1.7 1.45,1.7, body extent -1.3,-1.55 1.3,1.55, height 1
SAM9552-ND [mil] "Samtec Connector Through Hole, Right Angle 2 pos 0.165\" (4.20mm) pitch"
  round 100 hole 70 mask+3: 1(80,0) 2(-85,0)
  silkscreen extent -193,-69 189,468, body extent -247,-19 243,953, height 386
SJ1-3544 [mm] "3.5mm audio jack"
  oval 1.508x3.016 hole 1 slot 1.5 at 90 deg: 1(0,0)
  oval 3.016x1.508 hole 1 slot 1.5 at 0 deg: 2(5,-5) 3(5,5) 4(5,-2.5)
  round 1.6 hole 1.6 unplated: None(0,5) None(0,-5) None(5,0)
  silkscreen extent -6.5,-6 8.5,6, body extent -6.5,-6 8.5,6.2, height 11.4
SLW-102-01-X-D [mil] "CONN RCPT 4POS 0.1 GOLD PCB"
  round 50 hole 34: 1(50,-50) 2(50,50) 3(-50,-50) 4(-50,50)
  silkscreen extent -120,-118 120,118, body extent -100,-97 100,98, height 180
SLW-103-01-X-D [mil] "CONN RCPT 6POS 0.1 GOLD PCB"
  round 50 hole 34: 1(100,-50) 2(100,50) 3(0,-50) 4(0,50) 5(-100,-50) 6(-100,50)
  silkscreen extent -170,-118 170,118, body extent -150,-97 150,98, height 180
SOIC127P500X600-8N [mm]
  rect 0.6x2.2 smd: 1(-1.905,-2.6) 2(-0.635,-2.6) 3(0.635,-2.6) 4(1.905,-2.6) 5(1.905,2.6) 6(0.635,2.6) 7(-0.635,2.6) 8(-1.905,2.6)
  silkscreen extent -2.4,-1.9 2.4,1.9, body extent -2.46,-2.67 2.44,2.69, height 2.03
SOP65P200X125-5N [mm] "SOP + Pitch P + Lead Span Nominal X Height - #Pins"
  rect 1x0.47 smd: 1(0,0) 2(0,-0.65) 3(0,-1.3) 4(1.8,-1.3) 5(1.8,0)
  silkscreen extent -0.42,-1.91 1.65,0.67, body extent -0.3,-1.74 2.08,1.02, height 1.7
SOP65P300X125-8N [mm] "SOP + Pitch P + Lead Span Nominal X Height - #Pins"
  rect 1.35x0.45 smd: 1(0,0) 2(0,-0.65) 3(0,-1.3) 4(0,-1.95) 5(3.95,-1.95) 6(3.95,-1.3) 7(3.95,-0.65) 8(3.95,0)
  silkscreen extent 0,-2.28 2.9,0.58, body extent -0.64,-2.47 4.51,0.54, height 0.95
SOP65P640X120-16N [mm] "SOP + Pitch P + Lead Span Nominal X Height - #Pins"
  rect 1.4x0.35 smd: 1(0,0) 2(0,-0.65) 3(0,-1.3) 4(0,-1.95) 5(0,-2.6) 6(0,-3.25) 7(0,-3.9) 8(0,-4.55) 9(5.4,-4.55) 10(5.4,-3.9) 11(5.4,-3.25) 12(5.4,-2.6) 13(5.4,-1.95) 14(5.4,-1.3) 15(5.4,-0.65) 16(5.4,0)
  silkscreen extent 1.53,-4.88 3.87,0.33, body extent -0.61,-4.84 5.99,0.27, height 1.2
SOT95P280X145-6N [mil] "SOT + Pitch P + Nominal Lead Length X Height - #Pins"
  rect 50x22 smd: 1(-51,37) 2(-51,0) 3(-51,-37) 4(51,-37) 5(51,0) 6(51,37)
  silkscreen extent -21,48 21,60, body extent -59,-60 59,60, height 57
SOT95P290X160-5N [mm] "SOT + Pitch P + Nominal Lead Length X Height - #Pins"
  rect 1.1x0.6 smd: 1(0,0) 2(0,-0.95) 3(0,-1.9) 4(2.8,-1.9) 5(2.8,0)
  silkscreen extent -0.99,-2.16 1.96,0.25, body extent 0,-2.39 2.79,0.51, height 0.99
SOT-26 [mm]
  rect 0.55x0.8 smd: 1(0.813,1.079) 2(-0.137,1.079) 3(-1.087,1.079) 4(-1.087,-1.321) 5(-0.137,-1.321) 6(0.813,-1.321)
  silkscreen extent -1.65,-0.69 2.08,1.37, body extent -1.69,-1.62 1.41,1.38, height 1.4
SSOP50P300X300-10N [mm] "Footprint is labelled incorrectly, should be SSOP + Pitch P + Nominal Lead Length X Height - #Pins"
  rect 1.45x0.3 smd: 1(0,0) 2(0,-0.5) 3(0,-1) 4(0,-1.5) 5(0,-2) 6(4.4,-2) 7(4.4,-1.5) 8(4.4,-1) 9(4.4,-0.5) 10(4.4,0)
  silkscreen extent -0.15,-2.25 3.38,0.81, body extent -0.29,-2.56 4.76,0.53, height 1.09
SSW-126-01-G-D [mm] "Elevated Socket, 2x26 Pins, Vertical, 2.54mm Pitch, Female"
  rect 1.55x1.55 hole 1.02: 1(0,0)
  round 1.55 hole 1.02: 2(0,-2.54) 3(2.54,0) 4(2.54,-2.54) 5(5.08,0) 6(5.08,-2.54) 7(7.62,0) 8(7.62,-2.54) 9(10.16,0) 10(10.16,-2.54) 11(12.7,0) 12(12.7,-2.54) 13(15.24,0) 14(15.24,-2.54) 15(17.78,0) 16(17.78,-2.54) 17(20.32,0) 18(20.32,-2.54) 19(22.86,0) 20(22.86,-2.54) 21(25.4,0) 22(25.4,-2.54) 23(27.94,0) 24(27.94,-2.54) 25(30.48,0) 26(30.48,-2.54) 27(33.02,0) 28(33.02,-2.54) 29(35.56,0) 30(35.56,-2.54) 31(38.1,0) 32(38.1,-2.54) 33(40.64,0) 34(40.64,-2.54) 35(43.18,0) 36(43.18,-2.54) 37(45.72,0) 38(45.72,-2.54) 39(48.26,0) 40(48.26,-2.54) 41(50.8,0) 42(50.8,-2.54) 43(53.34,0) 44(53.34,-2.54) 45(55.88,0) 46(55.88,-2.54) 47(58.42,0) 48(58.42,-2.54) 49(60.96,0) 50(60.96,-2.54) 51(63.5,0) 52(63.5,-2.54)
  silkscreen extent -1.53,-3.74 65.03,1.2, body extent -1.52,-3.75 65.02,1.21, height 8.51
"TI-SOT-SC70 (DCK)" [mm] "IC CURR SENSE 1 CIRCUIT SC70-6"
  rect 0.85x0.35 smd: 1(-1.1,0.65) 2(-1.1,0) 3(-1.1,-0.65) 4(1.1,-0.65) 5(1.1,0) 6(1.1,0.65)
  silkscreen extent -2.4,0.4 -1.9,0.9, body extent -1.05,-1 1.05,1, height 1
TO254P1435X464-3N [mm]
  rect 2.8x1.05 smd: 1(-6.19,2.54) 2(-6.19,-2.54)
  rect 5.08x8.33 smd: 3(3.53,0)
  rect 1.91x10.8 smd: 3(7.025,0)
  silkscreen extent -7.65,-5.21 5.8,5.21, body extent -7.32,-5.08 7.78,5.08, height 4.55
TPS22959DNYT [mm]
  rect 0.6x0.3 smd: 1(-1.4,0.975) 2(-1.4,0.325) 3(-1.4,-0.325) 4(-1.4,-0.975) 5(1.4,-0.975)
  rect 0.6x1.6 smd: 8(1.4,0.325)
  rect 1.6x2.4 smd: 9(0,0)
  silkscreen extent -2.05,1.35 -1.85,1.55, body extent -1.5,-1.5 1.5,1.5, height 0.8